# KiCad board 8b-alu-slice.kicad_pcb
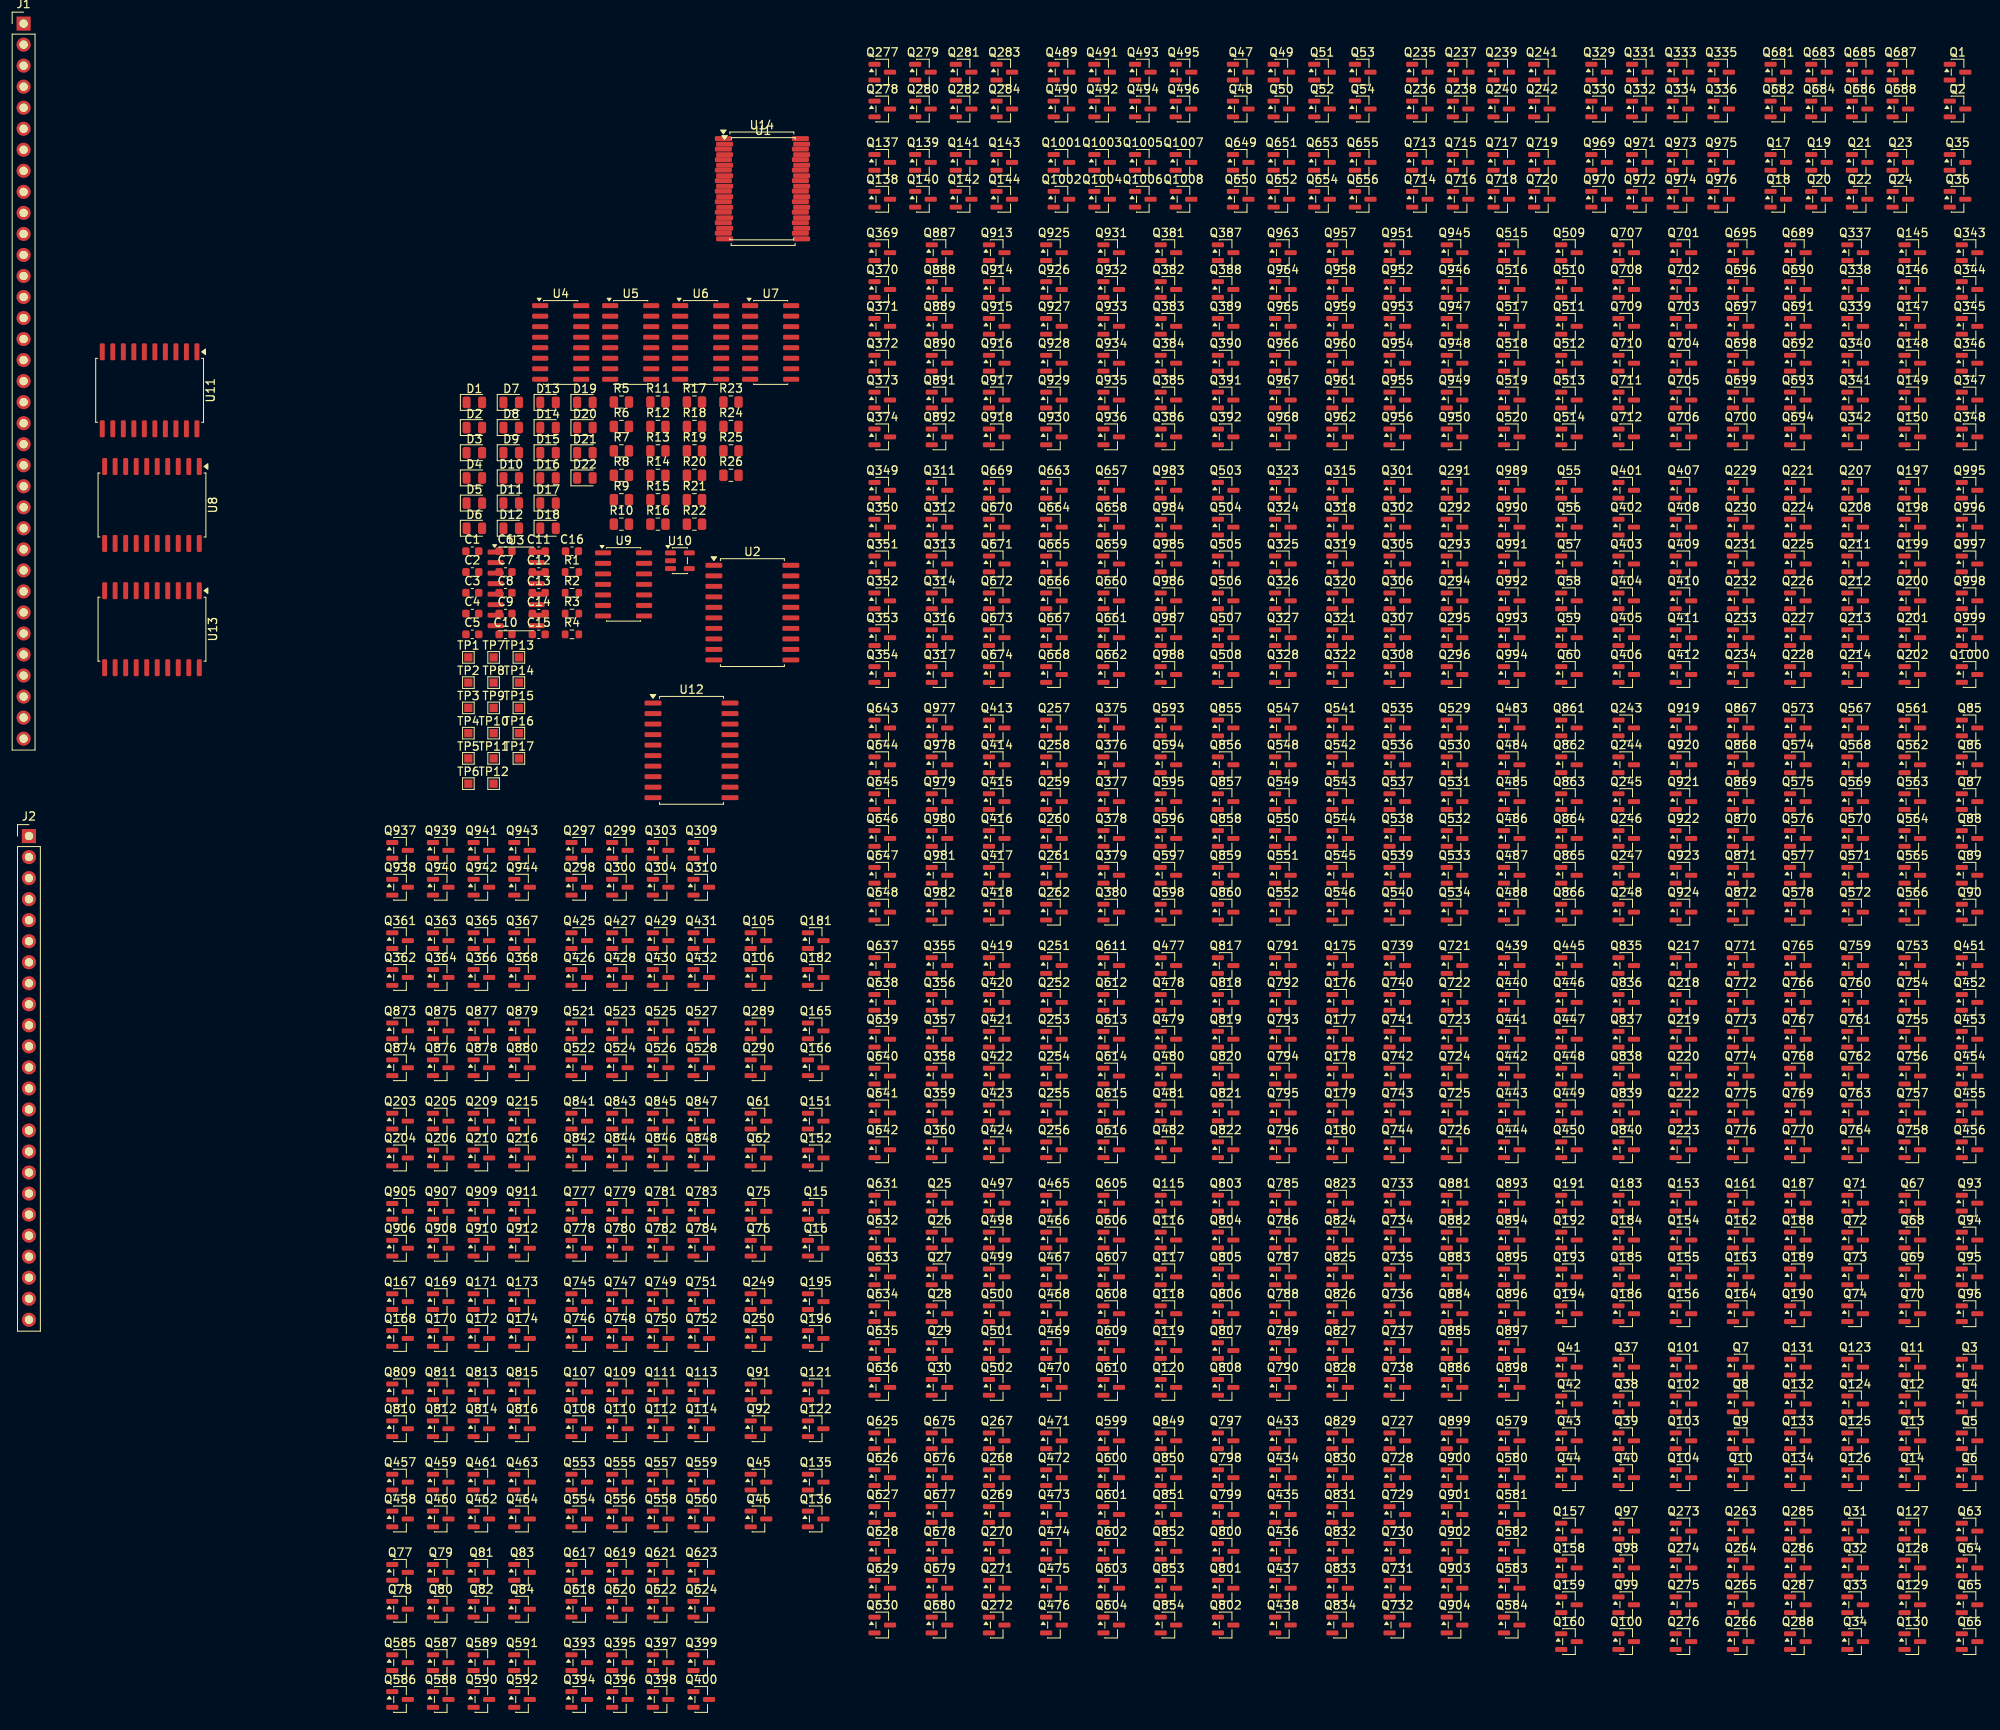
[diagram p0: board, top side]
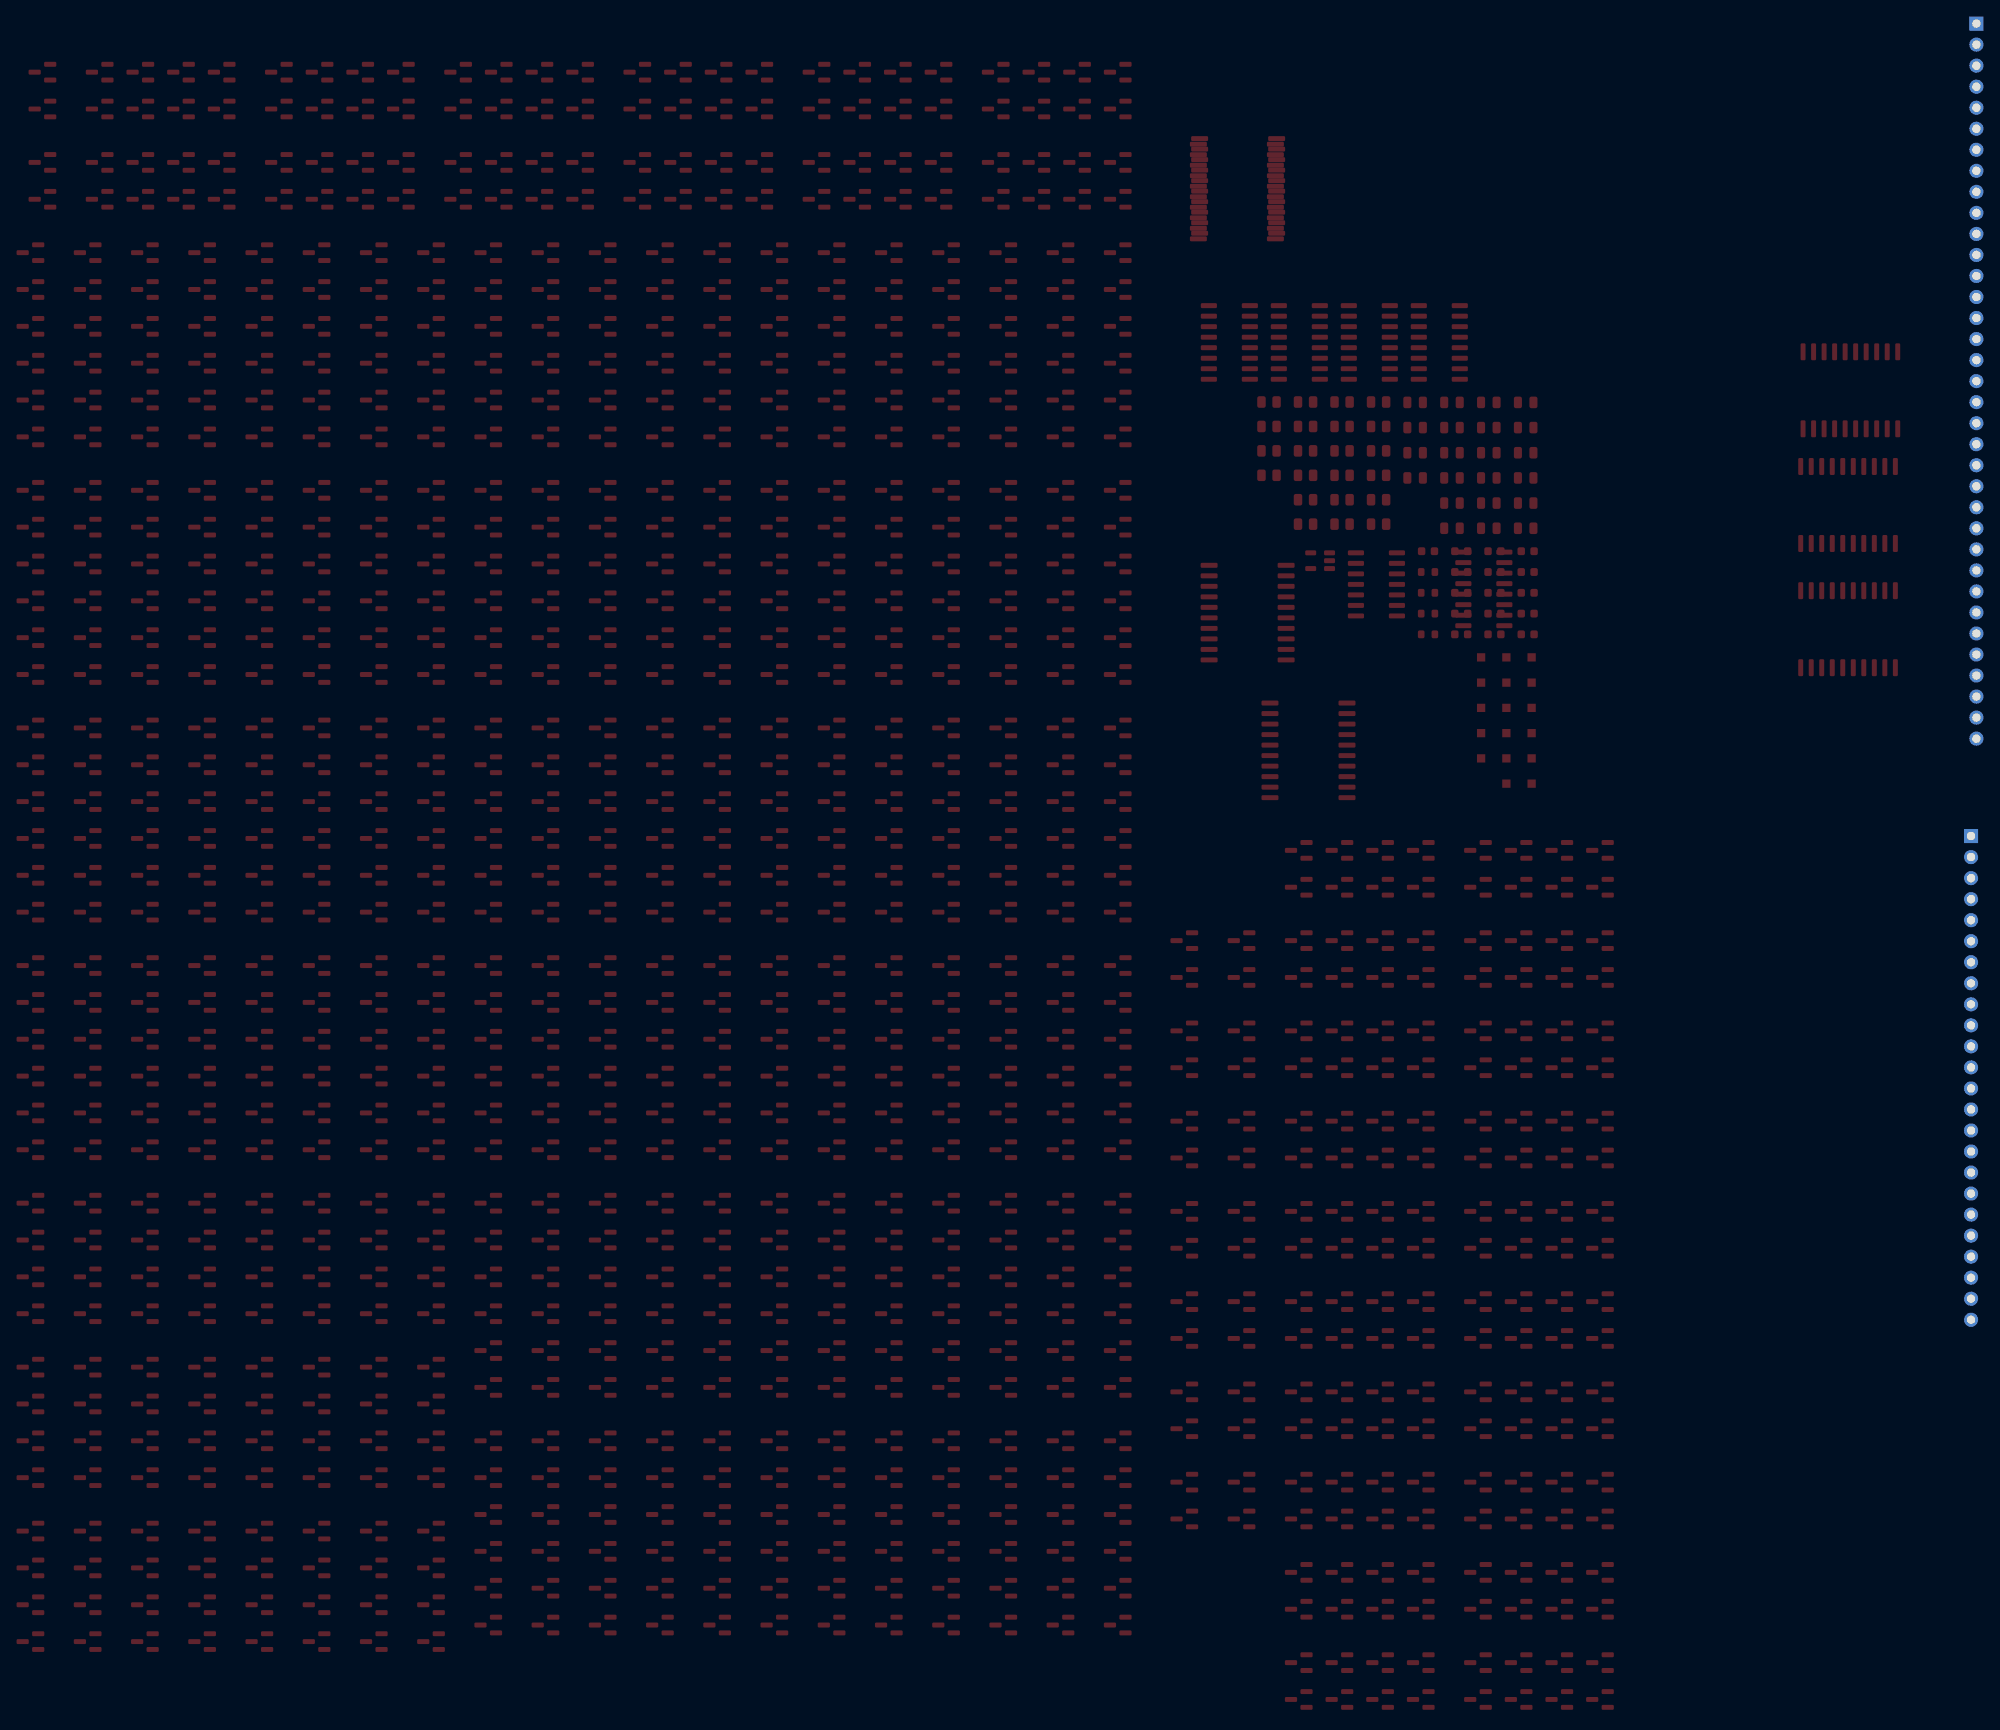
[diagram p1: board, bottom side, seen from below]

No outline. copper layers: Top, In1.Cu, In2.Cu, Bottom. Coordinates in mm from the lowest, leftmost part position.
Stack: Top 0.035mm / dielectric 0.1mm FR4 er 4.5 / In1.Cu 0.035mm / dielectric 1.24mm FR4 er 4.5 / In2.Cu 0.035mm / dielectric 0.1mm FR4 er 4.5 / Bottom 0.035mm

## Placement (name value [footprint] x y rotation side)
C1  100nF  [C_0603_1608Metric]  54.19 138.68 0 top
C2  100nF  [C_0603_1608Metric]  54.19 136.17 0 top
C3  100nF  [C_0603_1608Metric]  54.19 133.66 0 top
C4  100nF  [C_0603_1608Metric]  54.19 131.15 0 top
C5  100nF  [C_0603_1608Metric]  54.19 128.64 0 top
C6  100nF  [C_0603_1608Metric]  58.2 138.68 0 top
C7  100nF  [C_0603_1608Metric]  58.2 136.17 0 top
C8  C  [C_0603_1608Metric]  58.2 133.66 0 top
C9  C  [C_0603_1608Metric]  58.2 131.15 0 top
C10  100nF  [C_0603_1608Metric]  58.2 128.64 0 top
C11  100nF  [C_0603_1608Metric]  62.21 138.68 0 top
C12  100nF  [C_0603_1608Metric]  62.21 136.17 0 top
C13  100nF  [C_0603_1608Metric]  62.21 133.66 0 top
C14  100nF  [C_0603_1608Metric]  62.21 131.15 0 top
C15  100nF  [C_0603_1608Metric]  62.21 128.64 0 top
C16  100nF  [C_0603_1608Metric]  66.22 138.68 0 top
D1  LED  [LED_0805_2012Metric]  54.43 156.66 0 top
D2  LED  [LED_0805_2012Metric]  54.43 153.62 0 top
D3  LED  [LED_0805_2012Metric]  54.43 150.57 0 top
D4  LED  [LED_0805_2012Metric]  54.43 147.53 0 top
D5  LED  [LED_0805_2012Metric]  54.43 144.5 0 top
D6  LED  [LED_0805_2012Metric]  54.43 141.45 0 top
D7  LED  [LED_0805_2012Metric]  58.88 156.66 0 top
D8  LED  [LED_0805_2012Metric]  58.88 153.62 0 top
D9  LED  [LED_0805_2012Metric]  58.88 150.57 0 top
D10  LED  [LED_0805_2012Metric]  58.88 147.53 0 top
D11  LED  [LED_0805_2012Metric]  58.88 144.5 0 top
D12  LED  [LED_0805_2012Metric]  58.88 141.45 0 top
D13  LED  [LED_0805_2012Metric]  63.33 156.66 0 top
D14  LED  [LED_0805_2012Metric]  63.33 153.62 0 top
D15  LED  [LED_0805_2012Metric]  63.33 150.57 0 top
D16  LED  [LED_0805_2012Metric]  63.33 147.53 0 top
D17  LED  [LED_0805_2012Metric]  63.33 144.5 0 top
D18  LED  [LED_0805_2012Metric]  63.33 141.45 0 top
D19  LED  [LED_0805_2012Metric]  67.78 156.66 0 top
D20  LED  [LED_0805_2012Metric]  67.78 153.62 0 top
D21  LED  [LED_0805_2012Metric]  67.78 150.57 0 top
D22  LED  [LED_0805_2012Metric]  67.78 147.53 0 top
J1  Conn_01x35  [PinHeader_1x35_P2.54mm_Vertical]  0 202.41 0 top
J2  Conn_01x24  [PinHeader_1x24_P2.54mm_Vertical]  0.65 104.28 0 top
Q1  Q_PMOS  [SOT-23]  233.53 196.54 0 top
Q2  Q_NMOS  [SOT-23]  233.53 192.09 0 top
Q3  Q_PMOS  [SOT-23]  234.97 40.14 0 top
Q4  Q_NMOS  [SOT-23]  234.97 35.69 0 top
Q5  Q_PMOS  [SOT-23]  234.97 31.24 0 top
Q6  Q_NMOS  [SOT-23]  234.97 26.79 0 top
Q7  Q_PMOS  [SOT-23]  207.34 40.14 0 top
Q8  Q_NMOS  [SOT-23]  207.34 35.69 0 top
Q9  Q_PMOS  [SOT-23]  207.34 31.24 0 top
Q10  Q_NMOS  [SOT-23]  207.34 26.79 0 top
Q11  Q_PMOS  [SOT-23]  228.07 40.14 0 top
Q12  Q_NMOS  [SOT-23]  228.07 35.69 0 top
Q13  Q_PMOS  [SOT-23]  228.07 31.24 0 top
Q14  Q_NMOS  [SOT-23]  228.07 26.79 0 top
Q15  Q_PMOS  [SOT-23]  95.65 58.95 0 top
Q16  Q_NMOS  [SOT-23]  95.65 54.5 0 top
Q17  Q_PMOS  [SOT-23]  211.89 185.64 0 top
Q18  Q_NMOS  [SOT-23]  211.89 181.19 0 top
Q19  Q_PMOS  [SOT-23]  216.79 185.64 0 top
Q20  Q_NMOS  [SOT-23]  216.79 181.19 0 top
Q21  Q_NMOS  [SOT-23]  221.71 185.64 0 top
Q22  Q_NMOS  [SOT-23]  221.71 181.19 0 top
Q23  Q_PMOS  [SOT-23]  226.62 185.64 0 top
Q24  Q_NMOS  [SOT-23]  226.62 181.19 0 top
Q25  Q_PMOS  [SOT-23]  110.59 59.94 0 top
Q26  Q_PMOS  [SOT-23]  110.59 55.49 0 top
Q27  Q_NMOS  [SOT-23]  110.59 51.04 0 top
Q28  Q_NMOS  [SOT-23]  110.59 46.59 0 top
Q29  Q_PMOS  [SOT-23]  110.59 42.14 0 top
Q30  Q_NMOS  [SOT-23]  110.59 37.69 0 top
Q31  Q_PMOS  [SOT-23]  221.16 20.34 0 top
Q32  Q_NMOS  [SOT-23]  221.16 15.89 0 top
Q33  Q_PMOS  [SOT-23]  221.16 11.44 0 top
Q34  Q_NMOS  [SOT-23]  221.16 6.99 0 top
Q35  Q_PMOS  [SOT-23]  233.53 185.64 0 top
Q36  Q_NMOS  [SOT-23]  233.53 181.19 0 top
Q37  Q_PMOS  [SOT-23]  193.52 40.14 0 top
Q38  Q_NMOS  [SOT-23]  193.52 35.69 0 top
Q39  Q_PMOS  [SOT-23]  193.52 31.24 0 top
Q40  Q_NMOS  [SOT-23]  193.52 26.79 0 top
Q41  Q_PMOS  [SOT-23]  186.61 40.14 0 top
Q42  Q_NMOS  [SOT-23]  186.61 35.69 0 top
Q43  Q_PMOS  [SOT-23]  186.61 31.24 0 top
Q44  Q_NMOS  [SOT-23]  186.61 26.79 0 top
Q45  Q_PMOS  [SOT-23]  88.74 26.25 0 top
Q46  Q_NMOS  [SOT-23]  88.74 21.8 0 top
Q47  Q_PMOS  [SOT-23]  146.97 196.54 0 top
Q48  Q_NMOS  [SOT-23]  146.97 192.09 0 top
Q49  Q_PMOS  [SOT-23]  151.88 196.54 0 top
Q50  Q_NMOS  [SOT-23]  151.88 192.09 0 top
Q51  Q_NMOS  [SOT-23]  156.78 196.54 0 top
Q52  Q_NMOS  [SOT-23]  156.78 192.09 0 top
Q53  Q_PMOS  [SOT-23]  161.7 196.54 0 top
Q54  Q_NMOS  [SOT-23]  161.7 192.09 0 top
Q55  Q_PMOS  [SOT-23]  186.61 146.04 0 top
Q56  Q_PMOS  [SOT-23]  186.61 141.59 0 top
Q57  Q_NMOS  [SOT-23]  186.61 137.14 0 top
Q58  Q_NMOS  [SOT-23]  186.61 132.69 0 top
Q59  Q_PMOS  [SOT-23]  186.61 128.24 0 top
Q60  Q_NMOS  [SOT-23]  186.61 123.79 0 top
Q61  Q_PMOS  [SOT-23]  88.74 69.85 0 top
Q62  Q_NMOS  [SOT-23]  88.74 65.4 0 top
Q63  Q_PMOS  [SOT-23]  234.97 20.34 0 top
Q64  Q_NMOS  [SOT-23]  234.97 15.89 0 top
Q65  Q_PMOS  [SOT-23]  234.97 11.44 0 top
Q66  Q_NMOS  [SOT-23]  234.97 6.99 0 top
Q67  Q_PMOS  [SOT-23]  228.07 59.94 0 top
Q68  Q_NMOS  [SOT-23]  228.07 55.49 0 top
Q69  Q_PMOS  [SOT-23]  228.07 51.04 0 top
Q70  Q_NMOS  [SOT-23]  228.07 46.59 0 top
Q71  Q_PMOS  [SOT-23]  221.16 59.94 0 top
Q72  Q_NMOS  [SOT-23]  221.16 55.49 0 top
Q73  Q_PMOS  [SOT-23]  221.16 51.04 0 top
Q74  Q_NMOS  [SOT-23]  221.16 46.59 0 top
Q75  Q_PMOS  [SOT-23]  88.74 58.95 0 top
Q76  Q_NMOS  [SOT-23]  88.74 54.5 0 top
Q77  Q_PMOS  [SOT-23]  45.46 15.35 0 top
Q78  Q_NMOS  [SOT-23]  45.46 10.9 0 top
Q79  Q_PMOS  [SOT-23]  50.37 15.35 0 top
Q80  Q_NMOS  [SOT-23]  50.37 10.9 0 top
Q81  Q_NMOS  [SOT-23]  55.27 15.35 0 top
Q82  Q_NMOS  [SOT-23]  55.27 10.9 0 top
Q83  Q_PMOS  [SOT-23]  60.19 15.35 0 top
Q84  Q_NMOS  [SOT-23]  60.19 10.9 0 top
Q85  Q_PMOS  [SOT-23]  234.97 117.34 0 top
Q86  Q_PMOS  [SOT-23]  234.97 112.89 0 top
Q87  Q_NMOS  [SOT-23]  234.97 108.44 0 top
Q88  Q_NMOS  [SOT-23]  234.97 103.99 0 top
Q89  Q_PMOS  [SOT-23]  234.97 99.54 0 top
Q90  Q_NMOS  [SOT-23]  234.97 95.09 0 top
Q91  Q_PMOS  [SOT-23]  88.74 37.15 0 top
Q92  Q_NMOS  [SOT-23]  88.74 32.7 0 top
Q93  Q_PMOS  [SOT-23]  234.97 59.94 0 top
Q94  Q_NMOS  [SOT-23]  234.97 55.49 0 top
Q95  Q_PMOS  [SOT-23]  234.97 51.04 0 top
Q96  Q_NMOS  [SOT-23]  234.97 46.59 0 top
Q97  Q_PMOS  [SOT-23]  193.52 20.34 0 top
Q98  Q_NMOS  [SOT-23]  193.52 15.89 0 top
Q99  Q_PMOS  [SOT-23]  193.52 11.44 0 top
Q100  Q_NMOS  [SOT-23]  193.52 6.99 0 top
Q101  Q_PMOS  [SOT-23]  200.43 40.14 0 top
Q102  Q_NMOS  [SOT-23]  200.43 35.69 0 top
Q103  Q_PMOS  [SOT-23]  200.43 31.24 0 top
Q104  Q_NMOS  [SOT-23]  200.43 26.79 0 top
Q105  Q_PMOS  [SOT-23]  88.74 91.65 0 top
Q106  Q_NMOS  [SOT-23]  88.74 87.2 0 top
Q107  Q_PMOS  [SOT-23]  67.09 37.15 0 top
Q108  Q_NMOS  [SOT-23]  67.09 32.7 0 top
Q109  Q_PMOS  [SOT-23]  72 37.15 0 top
Q110  Q_NMOS  [SOT-23]  72 32.7 0 top
Q111  Q_NMOS  [SOT-23]  76.92 37.15 0 top
Q112  Q_NMOS  [SOT-23]  76.92 32.7 0 top
Q113  Q_PMOS  [SOT-23]  81.83 37.15 0 top
Q114  Q_NMOS  [SOT-23]  81.83 32.7 0 top
Q115  Q_PMOS  [SOT-23]  138.24 59.94 0 top
Q116  Q_PMOS  [SOT-23]  138.24 55.49 0 top
Q117  Q_NMOS  [SOT-23]  138.24 51.04 0 top
Q118  Q_NMOS  [SOT-23]  138.24 46.59 0 top
Q119  Q_PMOS  [SOT-23]  138.24 42.14 0 top
Q120  Q_NMOS  [SOT-23]  138.24 37.69 0 top
Q121  Q_PMOS  [SOT-23]  95.65 37.15 0 top
Q122  Q_NMOS  [SOT-23]  95.65 32.7 0 top
Q123  Q_PMOS  [SOT-23]  221.16 40.14 0 top
Q124  Q_NMOS  [SOT-23]  221.16 35.69 0 top
Q125  Q_PMOS  [SOT-23]  221.16 31.24 0 top
Q126  Q_NMOS  [SOT-23]  221.16 26.79 0 top
Q127  Q_PMOS  [SOT-23]  228.07 20.34 0 top
Q128  Q_NMOS  [SOT-23]  228.07 15.89 0 top
Q129  Q_PMOS  [SOT-23]  228.07 11.44 0 top
Q130  Q_NMOS  [SOT-23]  228.07 6.99 0 top
Q131  Q_PMOS  [SOT-23]  214.25 40.14 0 top
Q132  Q_NMOS  [SOT-23]  214.25 35.69 0 top
Q133  Q_PMOS  [SOT-23]  214.25 31.24 0 top
Q134  Q_NMOS  [SOT-23]  214.25 26.79 0 top
Q135  Q_PMOS  [SOT-23]  95.65 26.25 0 top
Q136  Q_NMOS  [SOT-23]  95.65 21.8 0 top
Q137  Q_PMOS  [SOT-23]  103.69 185.64 0 top
Q138  Q_NMOS  [SOT-23]  103.69 181.19 0 top
Q139  Q_PMOS  [SOT-23]  108.59 185.64 0 top
Q140  Q_NMOS  [SOT-23]  108.59 181.19 0 top
Q141  Q_NMOS  [SOT-23]  113.51 185.64 0 top
Q142  Q_NMOS  [SOT-23]  113.51 181.19 0 top
Q143  Q_PMOS  [SOT-23]  118.42 185.64 0 top
Q144  Q_NMOS  [SOT-23]  118.42 181.19 0 top
Q145  Q_PMOS  [SOT-23]  228.07 174.74 0 top
Q146  Q_PMOS  [SOT-23]  228.07 170.29 0 top
Q147  Q_NMOS  [SOT-23]  228.07 165.84 0 top
Q148  Q_NMOS  [SOT-23]  228.07 161.39 0 top
Q149  Q_PMOS  [SOT-23]  228.07 156.94 0 top
Q150  Q_NMOS  [SOT-23]  228.07 152.49 0 top
Q151  Q_PMOS  [SOT-23]  95.65 69.85 0 top
Q152  Q_NMOS  [SOT-23]  95.65 65.4 0 top
Q153  Q_PMOS  [SOT-23]  200.43 59.94 0 top
Q154  Q_NMOS  [SOT-23]  200.43 55.49 0 top
Q155  Q_PMOS  [SOT-23]  200.43 51.04 0 top
Q156  Q_NMOS  [SOT-23]  200.43 46.59 0 top
Q157  Q_PMOS  [SOT-23]  186.61 20.34 0 top
Q158  Q_NMOS  [SOT-23]  186.61 15.89 0 top
Q159  Q_PMOS  [SOT-23]  186.61 11.44 0 top
Q160  Q_NMOS  [SOT-23]  186.61 6.99 0 top
Q161  Q_PMOS  [SOT-23]  207.34 59.94 0 top
Q162  Q_NMOS  [SOT-23]  207.34 55.49 0 top
Q163  Q_PMOS  [SOT-23]  207.34 51.04 0 top
Q164  Q_NMOS  [SOT-23]  207.34 46.59 0 top
Q165  Q_PMOS  [SOT-23]  95.65 80.75 0 top
Q166  Q_NMOS  [SOT-23]  95.65 76.3 0 top
Q167  Q_PMOS  [SOT-23]  45.46 48.05 0 top
Q168  Q_NMOS  [SOT-23]  45.46 43.6 0 top
Q169  Q_PMOS  [SOT-23]  50.37 48.05 0 top
Q170  Q_NMOS  [SOT-23]  50.37 43.6 0 top
Q171  Q_NMOS  [SOT-23]  55.27 48.05 0 top
Q172  Q_NMOS  [SOT-23]  55.27 43.6 0 top
Q173  Q_PMOS  [SOT-23]  60.19 48.05 0 top
Q174  Q_NMOS  [SOT-23]  60.19 43.6 0 top
Q175  Q_PMOS  [SOT-23]  158.97 88.64 0 top
Q176  Q_PMOS  [SOT-23]  158.97 84.19 0 top
Q177  Q_NMOS  [SOT-23]  158.97 79.74 0 top
Q178  Q_NMOS  [SOT-23]  158.97 75.29 0 top
Q179  Q_PMOS  [SOT-23]  158.97 70.84 0 top
Q180  Q_NMOS  [SOT-23]  158.97 66.39 0 top
Q181  Q_PMOS  [SOT-23]  95.65 91.65 0 top
Q182  Q_NMOS  [SOT-23]  95.65 87.2 0 top
Q183  Q_PMOS  [SOT-23]  193.52 59.94 0 top
Q184  Q_NMOS  [SOT-23]  193.52 55.49 0 top
Q185  Q_PMOS  [SOT-23]  193.52 51.04 0 top
Q186  Q_NMOS  [SOT-23]  193.52 46.59 0 top
Q187  Q_PMOS  [SOT-23]  214.25 59.94 0 top
Q188  Q_NMOS  [SOT-23]  214.25 55.49 0 top
Q189  Q_PMOS  [SOT-23]  214.25 51.04 0 top
Q190  Q_NMOS  [SOT-23]  214.25 46.59 0 top
Q191  Q_PMOS  [SOT-23]  186.61 59.94 0 top
Q192  Q_NMOS  [SOT-23]  186.61 55.49 0 top
Q193  Q_PMOS  [SOT-23]  186.61 51.04 0 top
Q194  Q_NMOS  [SOT-23]  186.61 46.59 0 top
Q195  Q_PMOS  [SOT-23]  95.65 48.05 0 top
Q196  Q_NMOS  [SOT-23]  95.65 43.6 0 top
Q197  Q_PMOS  [SOT-23]  228.07 146.04 0 top
Q198  Q_PMOS  [SOT-23]  228.07 141.59 0 top
Q199  Q_NMOS  [SOT-23]  228.07 137.14 0 top
Q200  Q_NMOS  [SOT-23]  228.07 132.69 0 top
Q201  Q_NMOS  [SOT-23]  228.07 128.24 0 top
Q202  Q_PMOS  [SOT-23]  228.07 123.79 0 top
Q203  Q_PMOS  [SOT-23]  45.46 69.85 0 top
Q204  Q_NMOS  [SOT-23]  45.46 65.4 0 top
Q205  Q_PMOS  [SOT-23]  50.37 69.85 0 top
Q206  Q_NMOS  [SOT-23]  50.37 65.4 0 top
Q207  Q_PMOS  [SOT-23]  221.16 146.04 0 top
Q208  Q_PMOS  [SOT-23]  221.16 141.59 0 top
Q209  Q_NMOS  [SOT-23]  55.27 69.85 0 top
Q210  Q_NMOS  [SOT-23]  55.27 65.4 0 top
Q211  Q_NMOS  [SOT-23]  221.16 137.14 0 top
Q212  Q_NMOS  [SOT-23]  221.16 132.69 0 top
Q213  Q_NMOS  [SOT-23]  221.16 128.24 0 top
Q214  Q_PMOS  [SOT-23]  221.16 123.79 0 top
Q215  Q_PMOS  [SOT-23]  60.19 69.85 0 top
Q216  Q_NMOS  [SOT-23]  60.19 65.4 0 top
Q217  Q_PMOS  [SOT-23]  200.43 88.64 0 top
Q218  Q_PMOS  [SOT-23]  200.43 84.19 0 top
Q219  Q_NMOS  [SOT-23]  200.43 79.74 0 top
Q220  Q_NMOS  [SOT-23]  200.43 75.29 0 top
Q221  Q_PMOS  [SOT-23]  214.25 146.04 0 top
Q222  Q_PMOS  [SOT-23]  200.43 70.84 0 top
Q223  Q_NMOS  [SOT-23]  200.43 66.39 0 top
Q224  Q_PMOS  [SOT-23]  214.25 141.59 0 top
Q225  Q_NMOS  [SOT-23]  214.25 137.14 0 top
Q226  Q_NMOS  [SOT-23]  214.25 132.69 0 top
Q227  Q_NMOS  [SOT-23]  214.25 128.24 0 top
Q228  Q_PMOS  [SOT-23]  214.25 123.79 0 top
Q229  Q_PMOS  [SOT-23]  207.34 146.04 0 top
Q230  Q_PMOS  [SOT-23]  207.34 141.59 0 top
Q231  Q_NMOS  [SOT-23]  207.34 137.14 0 top
Q232  Q_NMOS  [SOT-23]  207.34 132.69 0 top
Q233  Q_NMOS  [SOT-23]  207.34 128.24 0 top
Q234  Q_PMOS  [SOT-23]  207.34 123.79 0 top
Q235  Q_PMOS  [SOT-23]  168.61 196.54 0 top
Q236  Q_PMOS  [SOT-23]  168.61 192.09 0 top
Q237  Q_PMOS  [SOT-23]  173.52 196.54 0 top
Q238  Q_PMOS  [SOT-23]  173.52 192.09 0 top
Q239  Q_NMOS  [SOT-23]  178.43 196.54 0 top
Q240  Q_NMOS  [SOT-23]  178.43 192.09 0 top
Q241  Q_NMOS  [SOT-23]  183.34 196.54 0 top
Q242  Q_NMOS  [SOT-23]  183.34 192.09 0 top
Q243  Q_PMOS  [SOT-23]  193.52 117.34 0 top
Q244  Q_PMOS  [SOT-23]  193.52 112.89 0 top
Q245  Q_NMOS  [SOT-23]  193.52 108.44 0 top
Q246  Q_NMOS  [SOT-23]  193.52 103.99 0 top
Q247  Q_NMOS  [SOT-23]  193.52 99.54 0 top
Q248  Q_PMOS  [SOT-23]  193.52 95.09 0 top
Q249  Q_PMOS  [SOT-23]  88.74 48.05 0 top
Q250  Q_NMOS  [SOT-23]  88.74 43.6 0 top
Q251  Q_PMOS  [SOT-23]  124.42 88.64 0 top
Q252  Q_PMOS  [SOT-23]  124.42 84.19 0 top
Q253  Q_NMOS  [SOT-23]  124.42 79.74 0 top
Q254  Q_NMOS  [SOT-23]  124.42 75.29 0 top
Q255  Q_NMOS  [SOT-23]  124.42 70.84 0 top
Q256  Q_PMOS  [SOT-23]  124.42 66.39 0 top
Q257  Q_PMOS  [SOT-23]  124.42 117.34 0 top
Q258  Q_PMOS  [SOT-23]  124.42 112.89 0 top
Q259  Q_NMOS  [SOT-23]  124.42 108.44 0 top
Q260  Q_NMOS  [SOT-23]  124.42 103.99 0 top
Q261  Q_NMOS  [SOT-23]  124.42 99.54 0 top
Q262  Q_PMOS  [SOT-23]  124.42 95.09 0 top
Q263  Q_PMOS  [SOT-23]  207.34 20.34 0 top
Q264  Q_NMOS  [SOT-23]  207.34 15.89 0 top
Q265  Q_PMOS  [SOT-23]  207.34 11.44 0 top
Q266  Q_NMOS  [SOT-23]  207.34 6.99 0 top
Q267  Q_PMOS  [SOT-23]  117.51 31.24 0 top
Q268  Q_PMOS  [SOT-23]  117.51 26.79 0 top
Q269  Q_NMOS  [SOT-23]  117.51 22.34 0 top
Q270  Q_NMOS  [SOT-23]  117.51 17.89 0 top
Q271  Q_NMOS  [SOT-23]  117.51 13.44 0 top
Q272  Q_PMOS  [SOT-23]  117.51 8.99 0 top
Q273  Q_PMOS  [SOT-23]  200.43 20.34 0 top
Q274  Q_NMOS  [SOT-23]  200.43 15.89 0 top
Q275  Q_PMOS  [SOT-23]  200.43 11.44 0 top
Q276  Q_NMOS  [SOT-23]  200.43 6.99 0 top
Q277  Q_PMOS  [SOT-23]  103.69 196.54 0 top
Q278  Q_PMOS  [SOT-23]  103.69 192.09 0 top
Q279  Q_PMOS  [SOT-23]  108.59 196.54 0 top
Q280  Q_PMOS  [SOT-23]  108.59 192.09 0 top
Q281  Q_NMOS  [SOT-23]  113.51 196.54 0 top
Q282  Q_NMOS  [SOT-23]  113.51 192.09 0 top
Q283  Q_NMOS  [SOT-23]  118.42 196.54 0 top
Q284  Q_NMOS  [SOT-23]  118.42 192.09 0 top
Q285  Q_PMOS  [SOT-23]  214.25 20.34 0 top
Q286  Q_NMOS  [SOT-23]  214.25 15.89 0 top
Q287  Q_PMOS  [SOT-23]  214.25 11.44 0 top
Q288  Q_NMOS  [SOT-23]  214.25 6.99 0 top
Q289  Q_PMOS  [SOT-23]  88.74 80.75 0 top
Q290  Q_NMOS  [SOT-23]  88.74 76.3 0 top
Q291  Q_PMOS  [SOT-23]  172.78 146.04 0 top
Q292  Q_PMOS  [SOT-23]  172.78 141.59 0 top
Q293  Q_NMOS  [SOT-23]  172.78 137.14 0 top
Q294  Q_NMOS  [SOT-23]  172.78 132.69 0 top
Q295  Q_NMOS  [SOT-23]  172.78 128.24 0 top
Q296  Q_PMOS  [SOT-23]  172.78 123.79 0 top
Q297  Q_PMOS  [SOT-23]  67.09 102.55 0 top
Q298  Q_NMOS  [SOT-23]  67.09 98.1 0 top
Q299  Q_PMOS  [SOT-23]  72 102.55 0 top
Q300  Q_NMOS  [SOT-23]  72 98.1 0 top
Q301  Q_PMOS  [SOT-23]  165.88 146.04 0 top
Q302  Q_PMOS  [SOT-23]  165.88 141.59 0 top
Q303  Q_NMOS  [SOT-23]  76.92 102.55 0 top
Q304  Q_NMOS  [SOT-23]  76.92 98.1 0 top
Q305  Q_NMOS  [SOT-23]  165.88 137.14 0 top
Q306  Q_NMOS  [SOT-23]  165.88 132.69 0 top
Q307  Q_NMOS  [SOT-23]  165.88 128.24 0 top
Q308  Q_PMOS  [SOT-23]  165.88 123.79 0 top
Q309  Q_PMOS  [SOT-23]  81.83 102.55 0 top
Q310  Q_NMOS  [SOT-23]  81.83 98.1 0 top
Q311  Q_PMOS  [SOT-23]  110.59 146.04 0 top
Q312  Q_PMOS  [SOT-23]  110.59 141.59 0 top
Q313  Q_NMOS  [SOT-23]  110.59 137.14 0 top
Q314  Q_NMOS  [SOT-23]  110.59 132.69 0 top
Q315  Q_PMOS  [SOT-23]  158.97 146.04 0 top
Q316  Q_PMOS  [SOT-23]  110.59 128.24 0 top
Q317  Q_NMOS  [SOT-23]  110.59 123.79 0 top
Q318  Q_PMOS  [SOT-23]  158.97 141.59 0 top
Q319  Q_NMOS  [SOT-23]  158.97 137.14 0 top
Q320  Q_NMOS  [SOT-23]  158.97 132.69 0 top
Q321  Q_NMOS  [SOT-23]  158.97 128.24 0 top
Q322  Q_PMOS  [SOT-23]  158.97 123.79 0 top
Q323  Q_PMOS  [SOT-23]  152.06 146.04 0 top
Q324  Q_PMOS  [SOT-23]  152.06 141.59 0 top
Q325  Q_NMOS  [SOT-23]  152.06 137.14 0 top
Q326  Q_NMOS  [SOT-23]  152.06 132.69 0 top
Q327  Q_NMOS  [SOT-23]  152.06 128.24 0 top
Q328  Q_PMOS  [SOT-23]  152.06 123.79 0 top
Q329  Q_PMOS  [SOT-23]  190.25 196.54 0 top
Q330  Q_PMOS  [SOT-23]  190.25 192.09 0 top
Q331  Q_PMOS  [SOT-23]  195.16 196.54 0 top
Q332  Q_PMOS  [SOT-23]  195.16 192.09 0 top
Q333  Q_NMOS  [SOT-23]  200.06 196.54 0 top
Q334  Q_NMOS  [SOT-23]  200.06 192.09 0 top
Q335  Q_NMOS  [SOT-23]  204.97 196.54 0 top
Q336  Q_NMOS  [SOT-23]  204.97 192.09 0 top
Q337  Q_PMOS  [SOT-23]  221.16 174.74 0 top
Q338  Q_PMOS  [SOT-23]  221.16 170.29 0 top
Q339  Q_NMOS  [SOT-23]  221.16 165.84 0 top
Q340  Q_NMOS  [SOT-23]  221.16 161.39 0 top
Q341  Q_NMOS  [SOT-23]  221.16 156.94 0 top
Q342  Q_PMOS  [SOT-23]  221.16 152.49 0 top
Q343  Q_PMOS  [SOT-23]  234.97 174.74 0 top
Q344  Q_PMOS  [SOT-23]  234.97 170.29 0 top
Q345  Q_NMOS  [SOT-23]  234.97 165.84 0 top
Q346  Q_NMOS  [SOT-23]  234.97 161.39 0 top
Q347  Q_NMOS  [SOT-23]  234.97 156.94 0 top
Q348  Q_PMOS  [SOT-23]  234.97 152.49 0 top
Q349  Q_PMOS  [SOT-23]  103.69 146.04 0 top
Q350  Q_PMOS  [SOT-23]  103.69 141.59 0 top
Q351  Q_NMOS  [SOT-23]  103.69 137.14 0 top
Q352  Q_NMOS  [SOT-23]  103.69 132.69 0 top
Q353  Q_NMOS  [SOT-23]  103.69 128.24 0 top
Q354  Q_PMOS  [SOT-23]  103.69 123.79 0 top
Q355  Q_PMOS  [SOT-23]  110.59 88.64 0 top
Q356  Q_PMOS  [SOT-23]  110.59 84.19 0 top
Q357  Q_NMOS  [SOT-23]  110.59 79.74 0 top
Q358  Q_NMOS  [SOT-23]  110.59 75.29 0 top
Q359  Q_NMOS  [SOT-23]  110.59 70.84 0 top
Q360  Q_PMOS  [SOT-23]  110.59 66.39 0 top
Q361  Q_PMOS  [SOT-23]  45.46 91.65 0 top
Q362  Q_PMOS  [SOT-23]  45.46 87.2 0 top
Q363  Q_PMOS  [SOT-23]  50.37 91.65 0 top
Q364  Q_PMOS  [SOT-23]  50.37 87.2 0 top
Q365  Q_NMOS  [SOT-23]  55.27 91.65 0 top
Q366  Q_NMOS  [SOT-23]  55.27 87.2 0 top
Q367  Q_NMOS  [SOT-23]  60.19 91.65 0 top
Q368  Q_NMOS  [SOT-23]  60.19 87.2 0 top
Q369  Q_PMOS  [SOT-23]  103.69 174.74 0 top
Q370  Q_PMOS  [SOT-23]  103.69 170.29 0 top
Q371  Q_NMOS  [SOT-23]  103.69 165.84 0 top
Q372  Q_NMOS  [SOT-23]  103.69 161.39 0 top
Q373  Q_NMOS  [SOT-23]  103.69 156.94 0 top
Q374  Q_PMOS  [SOT-23]  103.69 152.49 0 top
Q375  Q_PMOS  [SOT-23]  131.33 117.34 0 top
Q376  Q_PMOS  [SOT-23]  131.33 112.89 0 top
Q377  Q_NMOS  [SOT-23]  131.33 108.44 0 top
Q378  Q_NMOS  [SOT-23]  131.33 103.99 0 top
Q379  Q_NMOS  [SOT-23]  131.33 99.54 0 top